# KiCad board RasPi.kicad_pcb (continued)
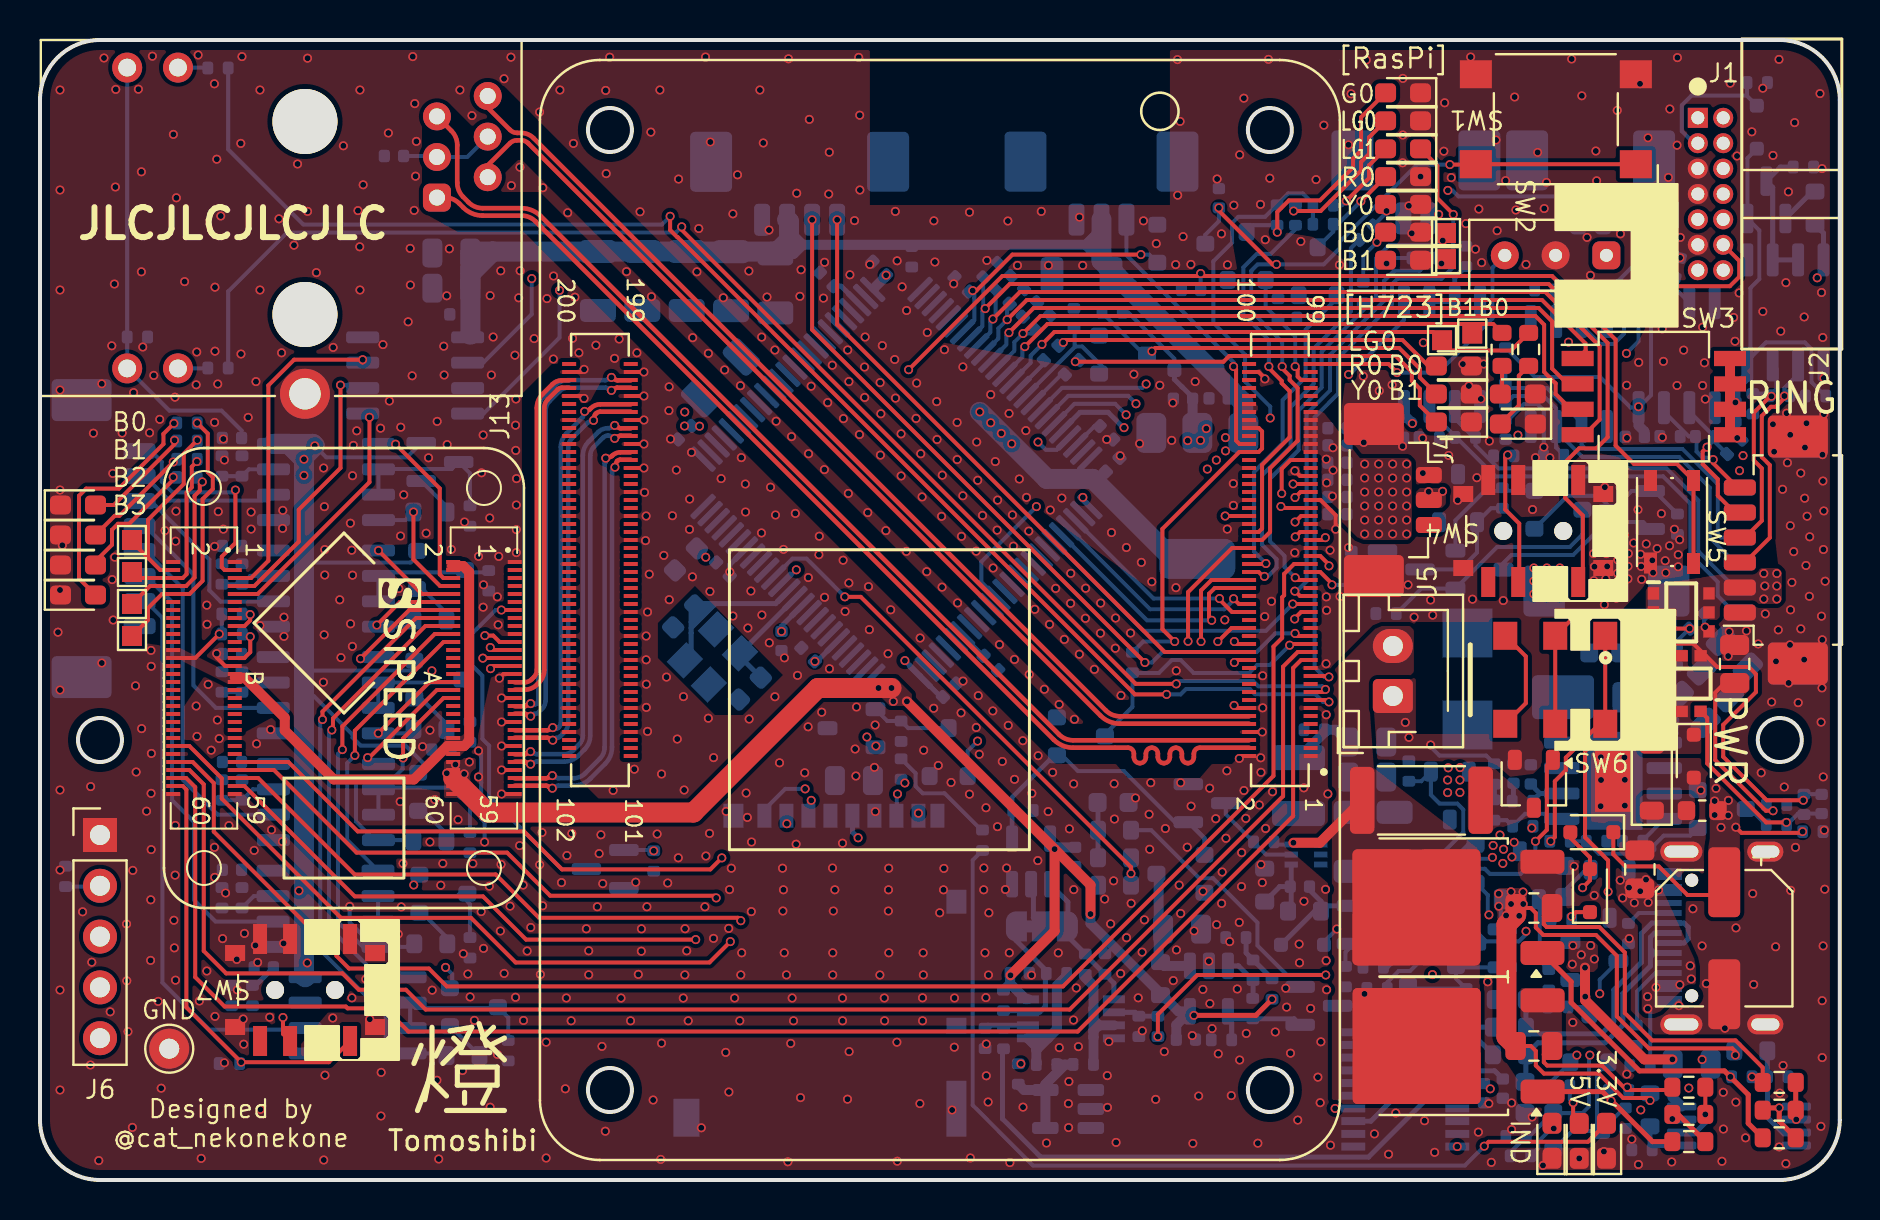
[diagram p0: board, top side]
## Routing (per net, layer and track width the routed paths; a pad name or vN(x,y) marks a point on that pad's centre or on a via; arc(x,y) is an arc through that point) (continued)
/DSI_CK_N: length 21.1
  Top w0.23: 29.54,38.42 28.02,38.42 arc(27.91,38.39) 27.81,38.33 27.78,38.3 arc(27.74,38.23) 27.72,38.16 27.72,38.02 v1(27.68,37.98) ; 23.74,22.12 25.35,22.12 arc(25.43,22.1) 25.49,22.06 25.56,21.99 v1(25.64,21.99)
  Bottom w0.23: v1(27.68,37.98) 27.62,37.92 27.52,37.92 arc(27.44,37.9) 27.38,37.86 26.59,37.07 arc(26.46,36.88) 26.42,36.65 26.42,22.86 arc(26.36,22.6) 26.22,22.39 26,22.16 arc(25.93,22.12) 25.86,22.11 25.84,22.11 arc(25.76,22.09) 25.7,22.05 v1(25.64,21.99)
/DSI_CK_P: length 21
  Top w0.23: v1(27.24,38.43) 27.28,38.47 27.35,38.47 arc(27.42,38.49) 27.49,38.53 27.55,38.59 arc(27.76,38.73) 28.02,38.78 29.54,38.78 ; 23.74,22.49 25.35,22.49 arc(25.43,22.5) 25.49,22.54 25.57,22.62 v1(25.64,22.62)
  Bottom w0.23: v1(25.64,22.62) 25.64,22.62 arc(25.71,22.58) 25.78,22.56 25.79,22.56 arc(25.86,22.58) 25.93,22.62 25.96,22.65 arc(26.02,22.74) 26.05,22.86 26.05,36.65 arc(26.12,37.02) 26.33,37.34 27.12,38.13 arc(27.16,38.19) 27.18,38.27 27.18,38.37 v1(27.24,38.43)
/DSI_D0_N: length 21
  Top w0.23: 29.54,36.02 29.02,36.02 arc(28.94,36) 28.88,35.96 28.86,35.94 arc(28.82,35.87) 28.8,35.8 28.8,35.69 v1(28.75,35.64) ; v1(25.62,19.59) 25.51,19.59 25.44,19.66 arc(25.38,19.7) 25.3,19.72 23.74,19.72
  Bottom w0.23: v1(28.75,35.64) 28.7,35.64 28.66,35.6 arc(28.62,35.53) 28.61,35.46 28.61,21.64 arc(28.52,21.19) 28.26,20.81 27.51,20.06 arc(27.13,19.81) 26.69,19.72 25.92,19.72 arc(25.85,19.7) 25.78,19.66 25.71,19.59 v1(25.62,19.59)
/DSI_D0_P: length 21.1
  Top w0.23: 23.74,20.09 25.3,20.09 arc(25.38,20.1) 25.45,20.14 25.52,20.22 v1(25.62,20.22) ; v1(28.29,36.09) 28.34,36.14 28.46,36.14 arc(28.53,36.16) 28.6,36.2 28.62,36.22 arc(28.8,36.34) 29.02,36.39 29.52,36.39
  Bottom w0.23: v1(25.62,20.22) 25.71,20.22 25.78,20.15 arc(25.85,20.11) 25.92,20.09 26.69,20.09 arc(26.99,20.15) 27.25,20.32 28,21.07 arc(28.17,21.33) 28.23,21.64 28.23,35.81 arc(28.24,35.85) 28.26,35.88 28.29,35.91 v1(28.29,36.09)
/DSI_D1_N: length 21.2
  Top w0.23: 23.74,20.92 24.21,20.92 arc(24.29,20.9) 24.35,20.86 24.42,20.79 v1(24.53,20.79) ; 29.54,37.22 29.04,37.22 arc(28.96,37.2) 28.9,37.16 28.82,37.08 v1(28.74,37.08)
  Bottom w0.23: v1(28.74,37.08) 28.66,37.08 28.58,37.16 arc(28.51,37.2) 28.44,37.22 28.39,37.22 arc(28.27,37.2) 28.18,37.13 27.69,36.65 arc(27.56,36.45) 27.52,36.22 27.52,22.22 arc(27.44,21.84) 27.23,21.53 26.91,21.2 arc(26.59,20.99) 26.22,20.92 24.84,20.92 arc(24.77,20.9) 24.7,20.86 24.63,20.79 v1(24.53,20.79)
/DSI_D1_P: length 21.2
  Top w0.23: 23.74,21.29 24.21,21.29 arc(24.29,21.3) 24.36,21.34 24.43,21.42 v1(24.53,21.42) ; v1(28.74,37.73) 28.81,37.73 28.9,37.64 arc(28.96,37.6) 29.04,37.59 29.54,37.59
  Bottom w0.23: v1(28.74,37.73) 28.66,37.73 28.58,37.65 arc(28.51,37.61) 28.44,37.59 28.39,37.59 arc(28.13,37.54) 27.91,37.39 27.43,36.91 arc(27.22,36.59) 27.14,36.22 27.14,22.22 arc(27.1,21.99) 26.97,21.79 26.64,21.47 arc(26.45,21.34) 26.22,21.29 24.84,21.29 arc(24.77,21.31) 24.7,21.35 24.63,21.42 v1(24.53,21.42)
/DSI_D2_N: length 21.4
  Top w0.23: 23.74,23.32 24.22,23.32 arc(24.3,23.3) 24.36,23.26 24.43,23.19 v1(24.53,23.19) ; v1(28.57,39.48) 28.61,39.48 arc(28.65,39.49) 28.68,39.51 28.73,39.56 arc(28.79,39.6) 28.87,39.62 29.54,39.62
  Bottom w0.23: v1(24.53,23.19) 24.59,23.25 arc(24.66,23.29) 24.73,23.31 24.77,23.31 arc(24.84,23.32) 24.91,23.36 25.12,23.57 arc(25.24,23.76) 25.28,23.98 25.28,38.49 arc(25.33,38.72) 25.46,38.92 25.99,39.44 arc(26.18,39.57) 26.41,39.62 28.27,39.62 arc(28.34,39.6) 28.41,39.56 28.46,39.51 arc(28.49,39.49) 28.53,39.48 v1(28.57,39.48)
/DSI_D2_P: length 21.4
  Top w0.23: v1(28.57,40.13) 28.61,40.13 arc(28.65,40.12) 28.68,40.1 28.74,40.04 arc(28.8,40) 28.88,39.98 29.54,39.98 ; 23.74,23.69 24.22,23.69 arc(24.3,23.7) 24.36,23.74 24.44,23.82 v1(24.53,23.82)
  Bottom w0.23: v1(24.53,23.82) 24.54,23.82 arc(24.6,23.78) 24.68,23.76 24.7,23.76 arc(24.77,23.78) 24.84,23.82 24.86,23.84 arc(24.9,23.9) 24.92,23.98 24.92,38.49 arc(24.99,38.87) 25.2,39.18 25.72,39.71 arc(26.04,39.92) 26.41,39.99 28.26,39.99 arc(28.34,40.01) 28.41,40.05 28.46,40.1 arc(28.49,40.12) 28.53,40.13 v1(28.57,40.13)
/DSI_D3_N: length 16.9
  Top w0.23: 26.46,39.62 26.1,39.62 arc(25.98,39.59) 25.89,39.53 25.39,39.03 arc(25.26,38.84) 25.21,38.61 25.21,25.5 arc(25.15,25.16) 24.96,24.88 24.85,24.77 arc(24.57,24.58) 24.23,24.52 23.74,24.52
/DSI_D3_P: length 16.9
  Top w0.23: 23.74,24.89 24.23,24.89 arc(24.42,24.92) 24.58,25.03 24.7,25.15 arc(24.81,25.31) 24.84,25.5 24.84,38.61 arc(24.92,38.98) 25.13,39.29 25.63,39.79 arc(25.84,39.93) 26.1,39.98 26.46,39.98
/FPGA_TangPrimerCore/DAC/LCH_OUT: length 62.1
  In2.Cu w0.2: v1(70.4,49.48) 59.08,49.48 58.13,48.53 54.55,48.53 53.39,47.38 39.72,47.38 38.58,46.24 25.76,46.24 v1(24.59,45.07)
  Bottom w0.2: v1(24.59,45.07) 24.59,43.29 22.17,40.87 U18.6 ; J7.2 78.17,48.34 77.32,49.18 70.93,49.18 70.63,49.48 v1(70.4,49.48)
/FPGA_TangPrimerCore/DAC/RCH_OUT: length 54.8
  In2.Cu w0.2: v1(69.94,48.28) 69.58,47.92 55.93,47.92 54.54,46.53 40.85,46.53 39.19,44.87 26.37,44.87 v1(25.98,44.48)
  Bottom w0.2: U18.8 22.18,38.33 25.98,42.12 v1(25.98,44.48) ; 69.41,48.25 69.42,48.23 J8.2 69.74,48.08 v1(69.94,48.28)
/FPGA_TangPrimerCore/I2S_SCK: length 12.3
  Top w0.2: 9.74,29.3 10.89,29.3 16.47,34.89 v1(16.47,38.14)
/FPGA_TangPrimerCore/I2S_SD: length 16.1
  Top w0.2: 9.74,30.1 10.56,30.1 11.42,30.96 11.42,39.73 12.7,41.02 15.98,41.02 U18.3
  vias: v1(16.13,41.02)
/FPGA_TangPrimerCore/I2S_WS: length 14
  Top w0.2: v1(15.02,39.75) 15.02,35.6 12.94,33.52 12.94,31.92 10.72,29.7 9.74,29.7
  Bottom w0.2: U18.2 15.98,39.75 v1(15.02,39.75)
/FPGA_TangPrimerCore/LED_B0: length 9.6
  Top w0.2: 6.66,30.5 6.01,30.5 5.4,31.11 ; H1.1 4.6,31.91 5.4,31.11 ; 5.4,31.11 5.4,33.01 7.19,34.8 7.19,36.32 v1(7.86,36.99)
/FPGA_TangPrimerCore/LED_B1: length 8.8
  Top w0.2: H2.1 4.9,30.1 7.14,30.1 7.33,30.29 7.33,34.37 7.59,34.63 7.59,35.67 v1(7.85,35.92)
/FPGA_TangPrimerCore/LED_B2: length 8.6
  Top w0.2: H3.1 5.5,29.7 7.31,29.7 7.31,29.7 7.73,30.12 7.73,34.21 7.99,34.47 7.99,34.78 v1(8.11,34.91)
/FPGA_TangPrimerCore/LED_B3: length 13.4
  Top w0.2: v1(7.86,37.85) 8.39,37.32 8.39,35.39 8.64,35.14 8.64,34.55 8.13,34.04 8.13,29.96 7.71,29.54 7.71,29.53 7.48,29.3 6.1,29.3 5.4,28.59 5.4,28 H4.1
/FPGA_TangPrimerCore/Panel_PWRCtrl: length 11.1
  Top w0.2: 9.74,30.5 9.23,30.5 9.09,30.64 9.09,31.17 9.77,31.85 v1(9.77,34.5)
  Bottom w0.2: v1(9.77,34.5) 9.65,34.38 6.63,34.38 6.09,34.91 6.09,35.91 5.55,36.45 4.98,36.45
/FPGA_TangPrimerCore/RS485_Panel/RS485_Panel0: length 27.9
  Bottom w0.2: 4.98,28.95 5.28,28.95 6.12,28.11 6.12,9.87 8.47,7.52 13.18,7.52 13.26,7.6
/FPGA_TangPrimerCore/RS485_Panel/RS485_Panel1: length 21.9
  Bottom w0.2: U8.6 8.77,12.92 7.7,14 7.7,17.9 6.6,18.99 6.6,28.9 5.3,30.2 4.98,30.2
/FPGA_TangPrimerCore/RS485_Panel/RS485_Panel2: length 17.8
  Bottom w0.2: U9.6 8.89,18.27 7.14,20.01 7.14,29.59 5.28,31.45 4.98,31.45
/FPGA_TangPrimerCore/RS485_Panel/RS485_Panel3: length 13.7
  Bottom w0.2: 4.98,32.7 5.25,32.7 7.67,30.28 7.67,24.73 8.8,23.61 U10.6
/FPGA_TangPrimerCore/RS485_Panel/RS485_Panel4: length 9.7
  Bottom w0.2: 4.98,33.95 5.55,33.95 8.47,31.02 8.47,29.48 9.03,28.92 11.66,28.92 U11.6
/FPGA_TangPrimerCore/RS485_Panel/RS485_Panel5: length 7.3
  Bottom w0.2: U12.6 11.38,33.97 6.46,33.97 5.24,35.2 4.98,35.2
/FPGA_TangPrimerCore/SlideSW0: length 21.4
  Top w0.2: 10.11,5.9 10.1,5.89 v1(10.06,5.89) ; v1(10.06,5.89) 14.44,5.89 SW7.1 ; v1(10.06,5.89) 7.32,8.63 7.32,19.52 7.14,19.7 6.66,19.7
/FPGA_TangPrimerCore/TangPrimerRXx_Panel0TX: length 23.5
  Top w0.2: U7.A18 19.27,27.7 14.65,23.08 14.65,22.56 v1(14.59,22.5)
  Bottom w0.2: 18.51,10.14 16.95,10.14 14.45,12.64 14.45,22.36 v1(14.59,22.5)
/FPGA_TangPrimerCore/TangPrimerRXx_Panel1TX: length 14.6
  Top w0.2: v1(15.75,21.23) 15.75,22.47 20.18,26.9 U7.A22
  Bottom w0.2: U8.1 15.36,17.01 15.36,20.85 v1(15.75,21.23)
/FPGA_TangPrimerCore/TangPrimerRXx_Panel2TX: length 5.7
  Top w0.2: v1(16.39,21.12) 16.46,21.12 19.84,24.5 U7.A34
/FPGA_TangPrimerCore/TangPrimerRXx_Panel3TX: length 6.6
  Top w0.2: v1(16.03,26.06) 18.46,28.5 U7.A14
  Bottom w0.2: U10.1 16.11,26.15 v1(16.03,26.06)
/FPGA_TangPrimerCore/TangPrimerRXx_Panel4TX: length 4.6
  Top w0.2: U7.A10 19.1,29.3 v1(16.92,31.48)
/FPGA_TangPrimerCore/TangPrimerRXx_Panel5TX: length 9
  Top w0.2: U7.A6 20.17,30.1 19.99,30.28 19.99,34.58 v1(17.78,36.79)
  Bottom w0.2: U12.1 16.94,36.79 v1(17.78,36.79)
/FPGA_TangPrimerCore/TangPrimerTXx_Panel0RX: length 29.6
  Top w0.2: v1(14.12,23.02) 14.12,23.42 18.81,28.1 U7.A16
  Bottom w0.2: v1(14.12,23.02) 14.01,22.91 14.01,11.5 17.29,8.22 17.29,7.05 18.01,6.33 20.22,6.33 R24.2
/FPGA_TangPrimerCore/TangPrimerTXx_Panel1RX: length 21.7
  Top w0.2: U7.A20 19.74,27.3 15.12,22.68 v1(15.12,21.52)
  Bottom w0.2: R30.2 18.56,11.66 U8.4 16.15,11.66 14.9,12.9 14.9,21.3 v1(15.12,21.52)
/FPGA_TangPrimerCore/TangPrimerTXx_Panel2RX: length 12.7
  Top w0.2: v1(18.16,21.1) 18.16,22.08 20.18,24.1 U7.A36
  Bottom w0.2: R28.2 18.63,17 U9.4 16.73,17 15.8,17.93 15.8,19.87 16.08,20.15 17.73,20.15 18.14,20.55 18.14,21.08 v1(18.16,21.1)
/FPGA_TangPrimerCore/TangPrimerTXx_Panel3RX: length 6.6
  Top w0.2: v1(16.92,22.34) 19.48,24.9 U7.A32
  Bottom w0.2: R37.2 18.48,22.34 v1(16.92,22.34)
/FPGA_TangPrimerCore/TangPrimerTXx_Panel4RX: length 6.2
  Top w0.2: U7.A12 18,28.9 v1(16.84,27.75)
  Bottom w0.2: U11.4 18.34,27.67 R41.2
/FPGA_TangPrimerCore/TangPrimerTXx_Panel5RX: length 6.8
  Top w0.2: v1(18.67,33.4) 18.67,31.03 20,29.7 U7.A8
  Bottom w0.2: U12.4 18.27,33 v1(18.67,33.4)
/FPGA_TangPrimerCore/TCK: length 28
  Top w0.2: U7.A21 22.98,26.9 22.66,27.22 v1(22.24,27.22)
  In2.Cu w0.2: v1(22.24,27.22) 15.13,27.22 3,15.09 J6.2
  Bottom w0.2: R29.1 2.96,14.67 J6.2
/FPGA_TangPrimerCore/TDI: length 28.4
  Top w0.2: U7.A27 22.66,25.7 v1(22.53,25.57)
  In2.Cu w0.2: J6.5 3.1,7.09 21.58,25.57 v1(22.53,25.57)
/FPGA_TangPrimerCore/TDO: length 27.9
  Top w0.2: U7.A25 22.15,26.1 v1(22.14,26.09)
  In2.Cu w0.2: J6.4 3,10.16 18.93,26.09 v1(22.14,26.09)
/FPGA_TangPrimerCore/TMS: length 27.1
  Top w0.2: v1(22.52,26.63) 22.64,26.5 U7.A23
  In2.Cu w0.2: J6.3 3,12.71 15.83,25.54 16.24,25.54 17.33,26.63 v1(22.52,26.63)
/MCU->RasPi_GPIO3: length 12.5
  Top w0.2: v1(55.05,46.27) 48.62,46.27 46.82,44.47 v1(46.64,44.47)
  Bottom w0.2: U15.57 46.72,42.99 46.72,44.39 v1(46.64,44.47) ; v1(55.05,46.27) 55.46,46.27 Q13.1
/PCM_CLK: length 77.3
  Top w0.2: U1.49 62.71,30.8 62.21,30.3 62.21,29.24 62.11,29.14 62.11,27.11 61.68,26.67 61.68,20.21 51.15,9.68 20.34,9.68 19.45,10.57 15.45,10.57 14.83,11.2 14.83,11.28 8.69,17.42 8.69,19.85 7.64,20.9 6.66,20.9
/PCM_DIN: length 77.9
  Top w0.2: 6.66,20.5 7.47,20.5 8.19,19.78 8.19,11.45 9.31,10.33 15.12,10.33 15.94,9.51 18.3,9.51 19.28,8.53 51.49,8.53 62.16,19.19 62.16,25.67 62.89,26.4 U1.27
/PCM_DOUT: length 79.7
  Top w0.2: 6.66,20.1 7.31,20.1 7.76,19.64 7.76,10.14 9.23,8.67 15.29,8.67 15.38,8.58 17.26,8.58 18.42,7.42 51.89,7.42 62.66,18.2 62.66,25.6 63.06,26 U1.25
/PCM_FS: length 69.4
  Top w0.2: U1.26 59.85,26 v1(59.72,25.88) ; 6.66,21.7 7.47,21.7 9.09,20.08 9.09,19.07 15.05,13.11 21.55,13.11 23.78,10.88 33.48,10.88 v1(34.52,11.92)
  In2.Cu w0.2: v1(59.72,25.88) 60.5,25.1 60.5,20.51 51.89,11.9 34.54,11.9 v1(34.52,11.92)
/Power/Cap: length 9.8
  Top w0.5: R149.2 64,16.86 v1(62.68,16.86)
  Bottom w0.2: 61.71,16.91 61.84,16.77 U19.3 ; D16.2 64.2,11.91 v1(64.85,12.55)
  Bottom w0.25: v1(62.68,16.86) 62.59,16.77 U19.3
  Bottom w0.5: L4.2 62.97,21.12 64.23,22.38 64.23,22.51 64.81,22.51 C55.2
  vias: v1(66.23,9.31)
/Power/CC: length 33.4
  Top w0.2: R125.1 74.55,13.6 74.8,13.35 74.8,12.62 75.17,12.25 77.81,12.25 78.85,11.21 78.85,8.18 80.45,6.58 84.62,6.58 84.78,6.42 v1(84.78,6.24) ; R140.1 74.55,6.7 74.8,6.45 74.8,5.72 75.2,5.32 77.95,5.32 79.17,4.1 80.39,4.1 v1(80.51,3.98)
  Top w1: R140.1 73.33,7.16 73.33,12.77 73.79,13.22 R125.1
  Bottom w0.2: Q32.2 73.05,12.6 Q29.2
  vias: v1(72.94,14.31) v1(72.95,13.69) v1(73.31,13.23) v1(73.56,14.41) v1(73.56,13.8) v1(73.97,13.21) v1(74.16,14.4) v1(74.17,13.8)
/Power/FB_Boost: length 4
  Bottom w0.25: R100.2 61.99,14.67 C57.2 ; U19.1 62.57,13.61 R99.1
/Power/FB_Buck: length 3.9
  Bottom w0.2: U13.5 75.49,18.06 75.24,18.31 74.26,18.31 R121.1 73.34,17.99 R43.2
/Power/IND: length 13
  In2.Cu w0.2: v1(77.5,6.25) 77.67,6.42 77.67,8.83 78,9.15 v1(78,9.32)
  Bottom w0.2: R71.2 73.52,1.38 R48.2 74.47,2.18 75.67,3.38 Q7.2 75.73,3.34 77.12,3.34 77.46,3.68 77.46,6.2 v1(77.5,6.25) ; v1(78,9.32) 78,10.02 Q8.3
/Power/PowerSW: length 7.3
  Bottom w0.2: 82.9,17.6 82.52,17.22 81.19,17.22 80.73,16.75 80.73,16.52 80.52,16.31 77.95,16.31 R62.1 77.32,16.94 R60.2
/Power/S-S: length 27.9
  Top w0.2: SW6.2 SW6.2 76.77,28.21 79.02,28.21 79.19,28.04 79.19,27.88 80.25,26.82 82.68,26.82 83.04,26.46 Q14.4 83.31,26.21 83.87,25.65 85.45,25.65 85.8,25.3 85.8,24.4 84.17,22.76 84.17,21.16 86.35,18.99 v1(88.17,18.99) ; Q12.4 83.26,27.62 v1(83.26,27.65)
  Bottom w0.2: C23.1 89.08,19.29 R59.1 ; v1(83.26,27.65) 83.21,27.7 R58.1
/Power/VCAP: length 12.5
  Bottom w0.25: R99.2 64.32,13.71 Q36.2 67.53,13.71 68.73,14.91 ; R99.2 64.06,13.93 63.48,14.51 C57.1 ; R99.2 63.74,13.45 D16.1 ; C67.1 68.2,15.44 69.2,14.45 D18.2
/Power/VSYS: length 40.8
  Top w0.2: v1(77.14,14.61) 77.51,14.98 D5.2 77.51,16.13 76.52,17.11 D4.2
  In1.Cu w0.2: v1(76,29.95) 76.25,29.95 78.2,28 78.2,22.23 74.6,18.63 v1(74.6,17.6) ; v1(73.18,16.54) 73.51,16.21 75.4,16.21 77,14.61 v1(77.14,14.61)
  Bottom w0.2: Q16.3 73.18,30.85 73.58,31.25 76.67,31.25 78.32,32.9 80.17,32.9 Q15.2 ; v1(74.6,17.6) 74.6,17.63 R121.2 ; v1(72.63,16.13) 72.56,16.06 71.27,16.06 70.56,15.35 70.56,15.3 70.5,15.24 70.5,15.17 70.24,14.92 70.24,12.75 69.14,11.65 Q30.2 67.39,10.63 R133.2
  vias: v1(72.66,16.73) v1(73.01,17.25) v1(73.15,15.83) v1(73.61,16.15) v1(73.71,16.89) v1(74.7,30.6) v1(74.7,29.95) v1(74.7,29.3) v1(75.35,30.6) v1(75.35,29.95) v1(75.35,29.3) v1(76,30.6) v1(76,29.3)
/RasPi->FPGA_CS: length 62.4
  Top w0.2: 9.74,20.9 12.42,20.9 15.89,17.43 24.2,17.43 26.1,15.53 33.52,15.53 v1(34.09,16.11) ; v1(57.41,26.94) 57.41,29.39 59.61,31.6 U1.54
  In2.Cu w0.2: v1(57.41,26.94) 57.41,24.53 49.01,16.14 34.12,16.14 v1(34.09,16.11)
/RasPi->FPGA_MISO: length 61.7
  Top w0.2: U1.34 59.58,27.6 58.91,26.92 v1(58.9,26.92) ; v1(33.81,14.1) 33.7,14.21 25.51,14.21 23.36,16.37 15.83,16.37 11.7,20.5 9.74,20.5
  In2.Cu w0.2: v1(33.81,14.1) 33.94,13.98 50.41,13.98 58.61,22.18 58.61,26.63 v1(58.9,26.92)
/RasPi->FPGA_MOSI: length 62.7
  Top w0.2: 9.74,20.1 10.91,20.1 15.73,15.28 22.79,15.28 24.95,13.11 34.9,13.11 v1(35.05,12.97) ; v1(59.72,26.92) 59.85,26.8 U1.30
  In2.Cu w0.2: v1(59.72,26.92) 59.15,26.35 59.15,21.23 50.64,12.72 35.29,12.72 v1(35.05,12.97)
/RasPi->FPGA_SCLK: length 68.8
  Top w0.2: v1(32.79,12.02) 24.31,12.02 22.15,14.18 15.74,14.18 10.22,19.7 9.74,19.7 ; v1(62.74,28.05) 62.74,28.08 63.06,28.4 U1.37
  In2.Cu w0.2: v1(32.79,12.02) 33.99,10.82 52.29,10.82 61.68,20.21 61.68,26.99 62.74,28.05 v1(62.74,28.05)
/RasPi->MCU_CS: length 15.2
  Top w0.2: v1(62.65,28.8) U1.39
  Bottom w0.2: U15.81 55.17,27.46 61.3,27.46 v1(62.64,28.8)
/RasPi->MCU_MISO: length 11.1
  Top w0.2: U1.40 59.95,28.8 v1(59.68,29.06)
  Bottom w0.2: 59.69,29.03 59.68,29.04 v1(59.68,29.06) 59.68,28.99 59.23,28.54 55.51,28.54 U15.79
/RasPi->MCU_MOSI: length 12.8
  Top w0.2: U1.44 58.75,29.6 58.46,29.31 58.46,28.12 v1(58.59,27.98)
  Bottom w0.2: v1(58.59,27.98) 55.36,27.98 U15.80
/RasPi->MCU_SCLK: length 10.6
  Top w0.2: U1.38 59.61,28.4 58.98,29.02 v1(58.98,29.07)
  Bottom w0.2: U15.78 55.68,29.07 v1(58.98,29.07)
/RasPi->RST_FPGA: length 41.8
  Top w0.2: U1.46 58.58,30 58.06,29.48 58.06,26.93 v1(58.06,26.92)
  In2.Cu w0.2: v1(30.69,16.46) 32.1,15.05 49.98,15.05 58.06,23.13 v1(58.06,26.92)
  Bottom w0.2: Q21.1 30.65,16.5 v1(30.69,16.46)
/RasPi_CM4/ETH_LEDG: length 70.6
  Top w0.2: U1.17 64.15,24.4 v1(64.28,24.53) ; v1(32.09,47.66) 32.09,47.51 54.79,24.81 v1(56.82,24.81)
  Bottom w0.2: v1(64.28,24.53) 64.12,24.69 60.92,24.69 60.66,24.95 56.96,24.95 v1(56.82,24.81) ; R94.1 9.41,44.43 12.35,47.38 31.8,47.38 v1(32.09,47.66)
/RasPi_CM4/ETH_LEDY: length 72.5
  Top w0.2: U1.15 64.36,24 v1(64.46,23.9) ; v1(31.51,48.19) 31.51,47.5 31.87,47.14 31.9,47.14 54.75,24.28 v1(56.34,24.28)
  Bottom w0.2: v1(56.34,24.28) 57.04,24.28 57.31,24.55 60.49,24.55 60.76,24.29 63.78,24.29 64.16,23.9 v1(64.46,23.9) ; v1(31.51,48.19) 31.1,47.78 13.16,47.78 9.41,51.53 R93.1
/RasPi_CM4/FAN_PWRCtrl: length 4.7
  Top w0.2: v1(64.61,29.76) 64.61,29.81 64.02,30.4 U1.47
  Bottom w0.2: R103.2 65.57,29.86 65.47,29.76 ; Q25.1 66.96,29.76 65.47,29.76 ; 65.47,29.76 v1(64.61,29.76)
/RasPi_CM4/GLOBAL_EN: length 13.8
  Top w0.2: U1.99 67.43,40.8 v1(67.86,40.37)
  Bottom w0.2: v1(67.86,40.37) 69.92,40.37 72.63,43.08 72.63,45.62 SW2.3
/RasPi_CM4/LED_B0: length 23.2
  Top w0.2: v1(62.77,30.12) 62.77,30.12 62.89,30 U1.45
  Bottom w0.2: v1(62.77,30.12) 62.23,30.65 62.23,31.2 61.51,31.93 61.51,35.07 62.94,36.5 62.94,38.48 64.09,39.63 64.09,41.41 66.8,44.12 66.8,46.08 67.48,46.75 69.92,46.75 v1(70.14,46.97)
/RasPi_CM4/LED_B1: length 21.8
  Top w0.2: U1.41 63.01,29.2 62.77,29.44 v1(62.75,29.44)
  Bottom w0.2: v1(70.08,45.83) 69.8,46.1 69.63,46.1 68.99,45.46 67.71,45.46 67.2,44.95 67.2,43.95 64.51,41.26 64.51,39.48 63.34,38.31 63.34,29.94 62.85,29.44 v1(62.75,29.44)
/RasPi_CM4/LED_LG0: length 18.9
  Top w0.2: v1(61.45,40.67) 61.45,40.6 62.09,39.96 62.09,39.84 62.49,39.44 62.49,37.14 61.11,35.76 61.11,32.57 60.94,32.4 U1.58
  Bottom w0.2: R111.2 62.78,47.54 61.55,46.31 60.85,46.31 60.17,45.63 60.17,43.28 61.45,42 v1(61.45,40.67)
/RasPi_CM4/LED_nACT: length 32.6
  Top w0.2: v1(70.67,48.28) 70.67,48.29 69.87,49.09 69.87,50.72 D26.1 ; U1.21 64.41,25.2 v1(64.45,25.15)
  Bottom w0.2: v1(64.45,25.15) 64.22,25.15 63.74,25.63 63.74,38.14 64.91,39.31 64.91,41.09 67.61,43.79 67.61,44.79 67.88,45.06 70.08,45.06 70.67,45.65 v1(70.67,48.28)
/RasPi_CM4/LED_nPWR: length 6.2
  Top w0.2: v1(62.76,40.67) 62.77,40.67 62.89,40.56 62.89,40.17 63.06,40 U1.95
  Bottom w0.2: v1(62.76,40.67) 62.76,42.19 R110.1 61.29,43.66 Q24.1
/RasPi_CM4/LED_nR0: length 16.2
  Top w0.2: v1(61.3,30.83) 61.28,30.8 U1.50
  Bottom w0.2: Q23.1 64.84,44.07 R117.1 63.29,42.52 63.29,40.15 62.14,39 62.14,36.83 60.71,35.4 60.71,31.42 v1(61.3,30.83)
/RasPi_CM4/LED_Y0: length 20.3
  Top w0.2: v1(61.23,30.18) 61.16,30.18 60.94,30.4 U1.48
  Bottom w0.2: v1(61.23,30.18) 61.4,30.18 61.83,30.61 61.83,31.04 61.11,31.76 61.11,35.23 62.54,36.67 62.54,38.65 63.69,39.8 63.69,41.57 65.55,43.43 65.55,46.59 R112.2
/RasPi_CM4/LiDAR_PWM: length 14
  Top w0.2: v1(59.68,40.67) 59.81,40.55 59.81,36.97 59.98,36.8 U1.80
  Bottom w0.2: J9.3 54.33,46.24 59.68,40.89 v1(59.68,40.67)
/RasPi_CM4/RasPiRX0_SerialTX: length 33.4
  Top w0.2: U1.51 64.02,31.2 64.46,30.76 v1(64.46,30.7)
  In2.Cu w0.2: v1(64.46,30.7) 63.74,29.98 63.74,9.22 70.87,2.09 v1(70.87,1.67)
/RasPi_CM4/RasPiRX5_LiDARTX: length 32.6
  Top w0.2: U1.28 56.24,26.4 39.86,42.78 v1(39.86,48.01)
/RasPi_CM4/RasPiTX0_SerialRX: length 32.5
  Top w0.2: v1(64.27,32.12) 64.16,32 U1.55
  In2.Cu w0.2: v1(64.27,32.12) 63.29,31.14 63.29,26.8 62.64,26.15 62.64,18.15 61.73,17.25 61.73,11.25 62.88,10.1 62.88,7.12 64.76,5.24 v1(64.76,3.58)
  Bottom w0.2: v1(64.76,3.58) U6.4
/RasPi_CM4/RasPiTX5_LiDARRX: length 38
  Top w0.2: v1(62.76,27.33) 62.89,27.2 U1.31 ; v1(55.25,25.88) 38.61,42.52 v1(38.61,48.01)
  Bottom w0.2: v1(62.76,27.33) 61.77,27.33 60.84,26.4 56.13,26.4 55.6,25.88 v1(55.25,25.88)
/RasPi_CM4/SD_CLK: length 32.1
  Top w0.2: v1(62.77,32.16) 63.01,32.4 U1.57
  In2.Cu w0.2: v1(40.91,17.11) 48.15,17.11 55.01,23.96 55.01,24.69 56.14,25.83 56.14,27.07 57.61,28.54 60.42,28.54 61.83,29.95 61.83,31.22 v1(62.77,32.16)
  Bottom w0.25: v1(40.91,17.11) 40.63,17.39 J12.5
/RasPi_CM4/SD_CMD: length 29
  Top w0.2: v1(59.26,33.2) U1.62
  In2.Cu w0.2: v1(38.57,18.98) 41.64,18.98 43.22,20.56 44.01,20.56 56.65,33.2 v1(59.26,33.2)
  Bottom w0.2: v1(38.57,18.98) 38.45,18.86 38.45,17.81
/RasPi_CM4/SD_DAT0: length 28.1
  Top w0.2: U1.63 62.13,33.6 v1(62.05,33.68)
  In2.Cu w0.2: v1(62.05,33.68) 59.49,31.11 57.54,31.11 45.74,19.3 v1(42.88,19.3)
  Bottom w0.2: v1(42.88,19.3) 42.84,19.27 42.84,17.81
/RasPi_CM4/SD_DAT1: length 27.1
  Top w0.2: 62.77,34.16 62.77,34.14 v1(62.76,34.12) 63.03,34.4 U1.67
  In2.Cu w0.2: v1(43.93,18.34) 46.28,18.34 58.32,30.38 59.5,30.38 62.76,33.64 v1(62.76,34.12)
  Bottom w0.2: v1(43.93,18.34) 43.95,18.32 43.95,17.81
/RasPi_CM4/SD_DAT2: length 34.8
  Top w0.2: v1(62.66,34.8) U1.69
  In2.Cu w0.2: v1(38.26,19.56) 41.51,19.56 56.24,34.28 61.1,34.28 61.68,34.86 62.6,34.86 v1(62.66,34.8)
  Bottom w0.2: 36.24,17.81 36.24,18.53 37.27,19.56 v1(38.26,19.56)
/RasPi_CM4/SD_DAT3: length 33.1
  Top w0.2: v1(62.76,32.9) 63.06,33.2 U1.61
  In2.Cu w0.2: v1(37.34,17.81) 47.27,17.81 53.47,24.02 53.47,24.97 58.13,29.62 59.36,29.62 62.64,32.9 v1(62.76,32.9)
/RasPi_CM4/SD_PWR_ON: length 29.7
  Top w0.2: U1.75 62.53,36 62.09,35.56 v1(62.09,34.33)
  In2.Cu w0.2: v1(62.09,34.33) 61.91,34.33 59.38,31.8 56.74,31.8 v1(46.88,21.95) 44.79,19.85 v1(43.25,19.85)
  Bottom w0.2: Q27.1 46.39,21.45 v1(46.88,21.95)
/RasPi_CM4/TRD0_N: length 51.2
  Top w0.23: J13.10 22.39,50.73 23.5,51.84 arc(23.66,51.95) 23.85,51.98 24.06,51.98 arc(24.25,51.95) 24.41,51.84 53.03,23.22 arc(53.48,22.92) 54,22.81 60.46,22.81
/RasPi_CM4/TRD0_P: length 51.2
  Top w0.23: J13.12 22.39,53.62 23.51,52.5 arc(23.67,52.39) 23.86,52.36 24.06,52.36 arc(24.39,52.29) 24.67,52.1 53.3,23.48 arc(53.62,23.26) 54,23.19 60.46,23.19
/RasPi_CM4/TRD1_N: length 54.9
  Top w0.23: 60.46,21.98 51.66,21.98 arc(51.28,22.06) 50.96,22.28 25.04,48.19 arc(24.6,48.49) 24.08,48.59 22.14,48.59 arc(21.75,48.67) 21.43,48.88 21.16,49.15 arc(20.94,49.48) 20.86,49.86 20.86,51.75 arc(20.79,52.13) 20.57,52.46 J13.6
/RasPi_CM4/TRD1_P: length 54.9
  Top w0.23: 60.46,21.62 58,21.62 arc(57.79,21.53) 57.7,21.31 57.7,21.14 arc(57.61,20.93) 57.4,20.84 arc(57.19,20.93) 57.1,21.14 57.1,21.31 arc(57.01,21.53) 56.8,21.62 arc(56.59,21.53) 56.5,21.31 56.5,21.14 arc(56.41,20.93) 56.2,20.84 arc(55.99,20.93) 55.9,21.14 55.9,21.31 arc(55.81,21.53) 55.6,21.62 arc(55.39,21.53) 55.3,21.31 55.3,21.14 arc(55.21,20.93) 55,20.84 arc(54.79,20.93) 54.7,21.14 54.7,21.31 arc(54.61,21.53) 54.4,21.62 51.66,21.62 arc(51.14,21.72) 50.69,22.02 24.78,47.93 arc(24.46,48.14) 24.08,48.22 22.14,48.22 arc(21.61,48.32) 21.17,48.62 20.96,48.83 arc(20.64,49.04) 20.26,49.12 J13.4
/RasPi_GPIO3: length 43.7
  Top w0.2: U1.56 61.11,32 61.51,32.4 61.51,35.59 62.88,36.96 62.89,36.96 62.89,39.6 62.49,40 62.49,40.21 62.11,40.58 v1(62.11,40.67) ; v1(70.5,50.77) 71.78,50.77 SW1.1 SW1.1 ; v1(58.95,48.61) 58.95,48.46 61.63,45.78 v1(61.83,45.78)
  Bottom w0.2: v1(62.11,40.67) 62.11,41.9 60.57,43.44 60.57,45.46 60.89,45.78 v1(61.83,45.78) 64.19,45.78 65,46.59 65,46.92 68.85,50.77 v1(70.5,50.77) ; v1(58.95,48.61) 58.95,47.94 58.27,47.26 Q13.3
/RasPi_SHDN: length 14
  Top w0.2: v1(62.49,26.74) 62.55,26.8 U1.29
  Bottom w0.2: v1(62.49,26.74) 61.5,25.75 60.87,25.75 60.47,25.35 57.69,25.35 57.04,26 56.6,26 55.95,25.35 54.64,25.35 R92.2 54.63,23.65 53.16,22.18 52.99,22.18
/ResetIC->RasPi_SHDN: length 15.1
  Bottom w0.2: 51.11,21.23 51.9,20.45 54.2,20.45 56.76,17.89 Q38.1
  Bottom w0.23: 58.23,16.26 58.23,17.08 Q38.1 ; U25.4 48.61,19.13 50.71,21.23 51.11,21.23
/RingNW/BOOT0: length 1.5
  Bottom w0.2: U15.94 46.13,27.27 R2.1
/RingNW/DIPSW0: length 34.2
  Top w0.2: SW3.1 77.29,41.48 77.29,41.82 75.11,44 49.35,44 v1(48.36,43.02)
  Bottom w0.2: R6.2 48.36,43.69 v1(48.36,43.02) 47.92,42.57 47.92,42.07 U15.60
/RingNW/DIPSW1: length 34.7
  Top w0.2: v1(48.45,42.37) 49.69,43.6 74.94,43.6 75.61,42.93 75.61,40.57 76.38,39.81 SW3.2
  Bottom w0.2: R7.2 49.14,43.05 48.32,42.23 48.32,41.76 U15.61
/RingNW/DIPSW2: length 34.6
  Top w0.2: v1(49.15,42.33) 50.03,43.2 74.78,43.2 75.21,42.76 75.21,40.4 75.79,39.83 75.79,39.3 76.55,38.53 SW3.3
  Bottom w0.2: U15.62 48.72,41.46 48.72,41.89 v1(49.15,42.33) 49.59,42.33 R9.2
/RingNW/DIPSW3: length 40.3
  Top w0.2: v1(47.65,43.05) 49,44.4 75.28,44.4 77.99,41.69 77.99,38.02 77.23,37.27 SW3.4
  Bottom w0.2: R10.2 47.79,44.44 47.79,43.19 v1(47.65,43.05) 47.52,42.92 47.52,42.38 U15.59
/RingNW/H723RX1_RS485XTX: length 22.3
  In2.Cu w0.2: v1(54.81,38.81) 54.87,38.75 55.78,38.75 58.68,41.65 64.06,41.65 v1(65.43,40.28)
  Bottom w0.2: U15.69 51.42,39.21 54.41,39.21 v1(54.81,38.81) ; v1(65.43,40.28) 65.48,40.28 68.2,43 U3.1
/RingNW/H723RX4_RS485YTX: length 33.3
  In2.Cu w0.2: v1(79.33,41.33) 68.07,41.33 66.09,39.35 57.93,39.35 56.84,38.26 v1(54.31,38.26)
  Bottom w0.2: U15.70 51.73,38.81 53.76,38.81 v1(54.31,38.26) ; v1(79.33,41.33) 79.93,41.94 U4.1
/RingNW/H723TX1_RS485XRX: length 33.1
  In2.Cu w0.2: v1(78.67,42.88) 58.38,42.88 55.31,39.81 v1(55.31,39.8)
  Bottom w0.2: R11.2 76.94,44.53 78.36,43.12 U2.4 78.62,42.92 v1(78.67,42.88) ; U15.68 51.11,39.61 55.12,39.61 v1(55.31,39.8)
/RingNW/H723TX4_RS485YRX: length 44.6
  In2.Cu w0.2: v1(88.87,45.11) 84.03,40.27 69.63,40.27 68.26,38.9 58.31,38.9 57.03,37.62 v1(54.21,37.62)
  Bottom w0.2: U14.4 89.18,45.42 v1(88.87,45.11)
  Bottom w0.25: U15.71 52.01,38.38 53.41,38.38 54.18,37.62 v1(54.21,37.62) ; R90.2 89.18,47.35 U14.4
/RingNW/HSE_IN: length 5.5
  Bottom w0.25: U15.12 35.01,26.33 Y1.1 35.01,26.16 C4.2
